# KiCad board OTTO-Beta-Main.kicad_pcb (continued)
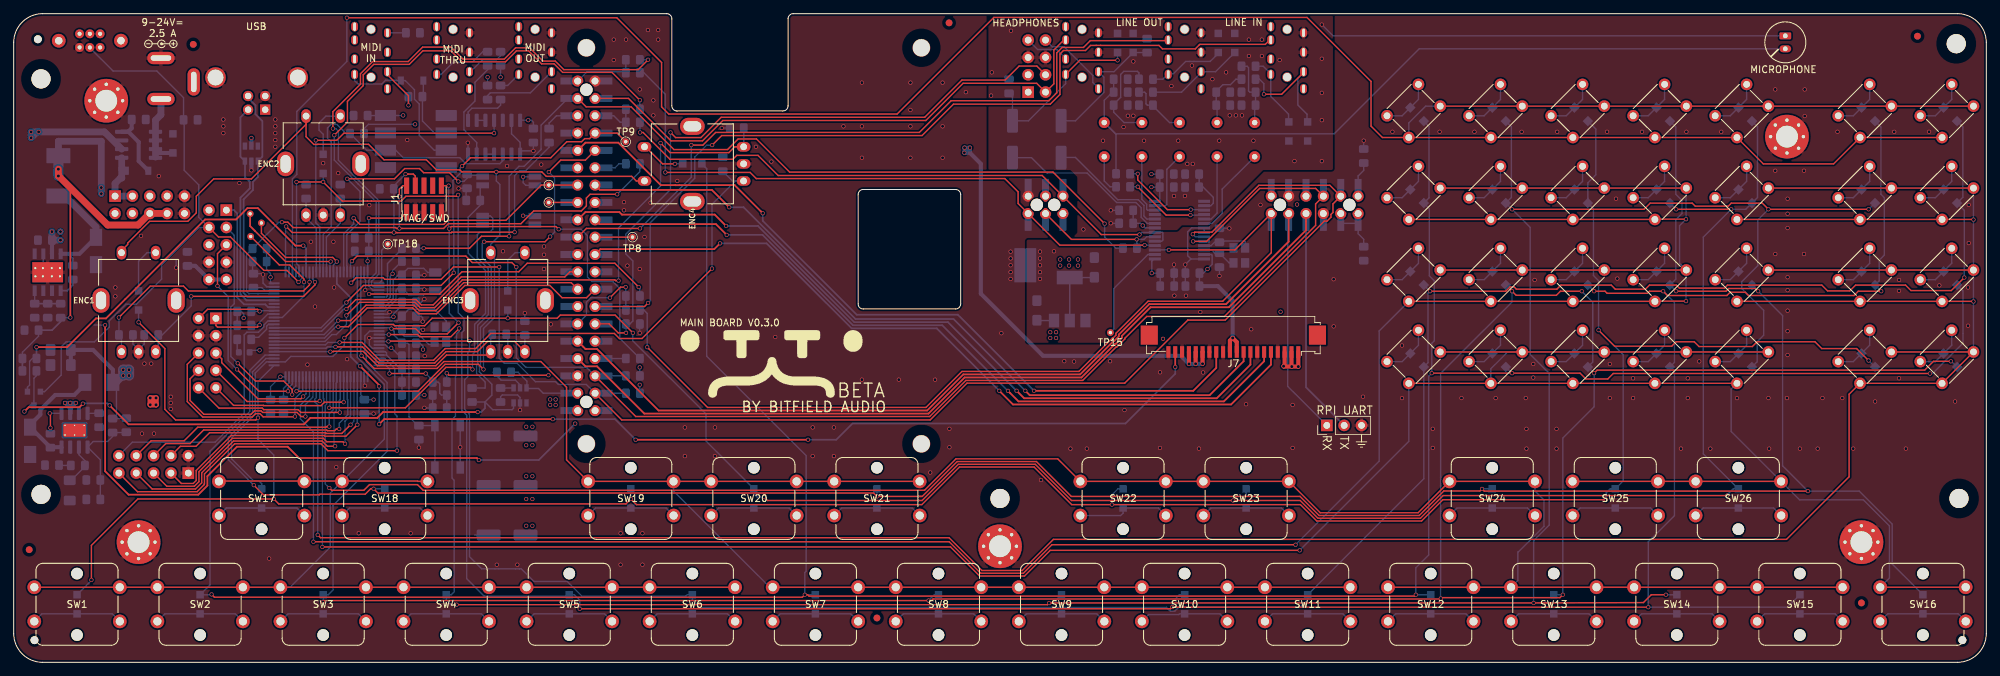
[diagram p0: board, top side]
## Routing (per net, layer and track width the routed paths; a pad name or vN(x,y) marks a point on that pad's centre or on a via; arc(x,y) is an arc through that point) (continued)
GNDA: length 70.9
  Bottom w0.203: v1(191.34,93.4) 192.99,91.75 MK201.1 ; v1(160.47,64.3) C73.2 ; v1(160.47,66.2) C250.1
  vias: v1(142.97,83) v1(143.07,86.4) v1(145.87,92.5) v1(150.12,60.15) v1(150.12,59.15) v1(150.12,58.15) v1(150.12,57.15) v1(150.12,56.15) v1(152.17,60.2) v1(156.47,63.4) v1(159.34,76.4) v1(162.34,78.4) v1(162.97,80.05) v1(163.77,88) v1(163.77,80.05) v1(165.34,76.4) v1(169.34,84.4) v1(169.72,68.3) v1(170.34,76.4) v1(171.32,68.3) v1(171.67,73) v1(172.34,87.4) v1(172.47,73) v1(175.34,85.4) v1(176.34,76.4) v1(177.34,86.4) v1(177.87,80.1) v1(178.77,80.1) v1(179.67,80.1) v1(180.67,91.2) v1(180.67,88.8) v1(181.34,76.4) v1(182.57,91.2) v1(182.57,88.8) v1(185.17,88.2) v1(187.34,73.4) v1(191.34,88.4) v1(191.34,83.4) v1(191.34,79.4) v1(191.34,73.4)
(no net): length 100
  Top w0.254: 82.2,35.03 v1(82.14,34.96) ; v1(13.38,49.39) 13.38,27.98 16.8,24.56 27,24.56 28.33,25.89 28.33,27.26 32.65,31.58 40.08,31.58 41.73,29.93 67.74,29.93 v1(68.04,29.63)
  Bottom w0.203: 11.77,49.4 13.36,49.4 v1(13.38,49.39)
  Bottom w0.254: v1(82.14,34.96) 76.8,29.63 v1(68.04,29.63)
  vias: v1(168.11,47.38) v1(185.31,51.34) v1(187.72,67.05)
(F427)_SAI1_FS_A: length 85
  Top w0.203: v1(91.59,82.32) 87.52,86.4 80.3,86.4 79.05,87.65 77.22,87.65 75.32,89.55 73.54,89.55 71.93,87.95 65.55,87.95 63.95,89.55 59.84,89.55 57.87,87.58 52.67,87.58 51.13,86.04 51.13,84.46 48.82,82.15 48.82,79.12 v1(46.9,77.2)
  Bottom w0.203: v1(46.9,77.2) 46.9,73.56 50.37,70.09 50.37,70.09 53.02,67.44 53.02,57.05 51.94,55.97 51.94,55.1 52.54,54.5 U202.3 ; v1(91.59,82.32) R236.2
(F427)_SAI1_MCLK_A: length 6.3
  Bottom w0.203: TP18.1 53.82,60.35 53.82,55.88 U202.1
(F427)_SAI1_SCK_A: length 45.6
  Top w0.203: v1(51.97,53.94) 62.31,53.94 65.57,57.2 73.87,57.2 75.12,58.45 87.93,58.45 v1(91.42,54.96)
  Bottom w0.203: R235.2 91.59,54.79 v1(91.42,54.96) ; v1(51.97,53.94) 52.03,54 U202.4
(F427)_SAI1_SD_A: length 9.2
  Bottom w0.203: U202.5 54.52,53.5 54.67,53.65 54.67,56.99 54.68,57 54.68,58.41 56.79,60.52 R237.2
(F427)_SAI1_SD_B: length 85.5
  Top w0.203: v1(92.79,88.25) 91.34,86.8 80.47,86.8 79.22,88.05 77.42,88.05 75.47,90 73.42,90 71.76,88.35 65.72,88.35 63.97,90.1 59.82,90.1 57.7,87.98 52.5,87.98 50.73,86.21 50.73,84.67 46.7,80.64 v1(46.7,78.17)
  Bottom w0.203: U202.2 52.61,55 52.34,55.27 52.34,55.8 53.42,56.88 53.42,67.61 50.54,70.49 50.54,70.49 47.5,73.53 47.5,77.8 47.12,78.17 v1(46.7,78.17) ; v1(92.79,88.25) R238.2
/AUDIO/AMP_OUT_L: length 11.2
  Bottom w0.203: J2.8 151.91,90.15 153.64,90.15 157.84,85.95 157.84,84.93 158.67,84.1
/AUDIO/AMP_OUT_R: length 6.6
  Bottom w0.203: 153.87,88.45 152.57,89.75 149.77,89.75 J2.7
/AUDIO/CODEC_CLKOUT: length 15.5
  Bottom w0.203: TP15.1 160.92,48.79 160.92,54.75 165.89,59.72 167.67,59.72
/AUDIO/HP_OUT_L: length 26.3
  Top w0.203: v1(161.46,88.17) 155.94,88.17 TRS206.T
  Bottom w0.203: R228.2 146.1,82.82 C258.2 148.43,79.31 153.87,84.75 TRS206.T ; v1(161.46,88.17) 161.46,89.31 ; 153.87,86.2 153.87,85.15
/AUDIO/HP_OUT_R: length 19.6
  Bottom w0.203: R230.2 165.77,89.31 163.75,89.31 160.94,86.5 TRS206.R1 159.47,85.7 159.47,83.47 155.31,79.31 C262.2
/AUDIO/I2S_BCLK*: length 136.4
  Top w0.203: v1(168.97,60.4) 178.62,60.4 J206.12 183.95,59.99 176.85,52.89 165.92,52.89 161.22,48.18 161.22,47.91 160.8,47.49 160.71,47.49 155.82,42.6 138.71,42.6 133.44,37.33 101.5,37.33 v1(92.67,46.16)
  Bottom w0.203: R231.2 92.17,51.6 92.67,51.1 v1(92.67,46.16) ; J206.12 J206.12 ; v1(168.97,60.4) 167.69,60.4 167.67,60.37
/AUDIO/I2S_DIN*: length 21.2
  Top w0.203: v1(164.26,61.95) 154.71,61.95 J207.4
  Bottom w0.203: J207.4 J207.4 ; R233.2 164.29,61.91 v1(164.26,61.95) 165.34,61.95 165.72,62.32 167.67,62.32
/AUDIO/I2S_DOUT*: length 95.7
  Top w0.203: v1(95.32,71.75) 107.72,71.75 108.62,70.85 144.97,70.85 146.92,68.9 146.92,67.2 J207.6 153.02,61.1 v1(165.42,61.1)
  Bottom w0.203: 167.67,61.02 167.59,61.1 v1(165.42,61.1) ; R234.2 92.17,86.35 95.32,83.2 v1(95.32,71.75) ; J207.6 J207.6
/AUDIO/I2S_LRCLK*: length 88.5
  Top w0.203: v1(91.62,77.6) 92.07,77.6 96,73.67 105.19,73.67 105.77,74.25 108.87,74.25 111.82,71.3 150.44,71.3 J207.1 159.09,62.65 v1(164.67,62.65)
  Bottom w0.203: U207.7 168,62.97 168.1,62.88 168.1,61.86 167.91,61.67 U207.5 ; v1(91.62,77.6) 91.62,79.07 R232.2 ; 166.92,62.95 164.97,62.95 v1(164.67,62.65) ; J207.1 J207.1
/AUDIO/LINE_IN_L: length 10.7
  Bottom w0.203: 186.47,79.28 186.47,80.28 183.87,82.88 183.87,86.2 182.77,87.3 R218.2
/AUDIO/LINE_IN_R: length 18.1
  Top w0.203: v1(182.87,83.2) 185.47,83.2 188.62,86.35 188.67,86.35
  Bottom w0.203: 189.17,79.28 189.17,80.28 187.84,81.61 187.84,85.52 188.67,86.35 ; v1(182.87,83.2) 182.87,84.75 182.22,85.4 R222.2
/AUDIO/LINE_OUT_L: length 11.1
  Bottom w0.203: 176.19,89.18 175.01,88 172.63,88 172.63,88 172.05,88 172.05,88 171.42,88 169.62,86.2 168.87,86.2 168.07,85.4 R220.2
/AUDIO/LINE_OUT_R: length 14.3
  Bottom w0.203: TRS205.R1 175.8,86.5 178.61,89.31 ; 173.67,86.35 170.82,83.5 R223.2
/AUDIO/MIC_IN: length 120.7
  Bottom w0.203: C257.2 161.25,77.32 161.25,71.55 ; C257.2 159.52,82.3 160.72,83.5 C259.1 R229.2 ; C257.2 161.17,77.4 193.14,77.4 205.59,89.85 MK201.2
/CE1_GPIO7_RASPI: length 5.7
  Top w0.203: TP2.1 J201.26
  Bottom w0.203: J201.26 J201.26
/GPIO1_RASPI: length 45.3
  Top w0.203: v1(49.72,65.05) 50.63,64.14 62.92,64.14 63.51,64.74 72.01,64.74 77.17,69.9 TP7.1 78.28,69.89 J201.28
  Bottom w0.203: J201.28 J201.28 ; v1(49.72,65.05) 49.72,64.21 48.27,62.76 48.27,57.35
/ICP_RST: length 103.5
  Top w0.203: v1(63.62,69.81) 63.61,69.8 J1.10 ; v1(63.71,63.52) 64.01,63.82 79.33,63.82 v1(79.72,63.43) ; v1(55.25,48.87) 58.79,48.87 59.57,48.1 63.42,48.1 v1(65.07,49.75)
  Bottom w0.203: U202.14 55.13,49 v1(55.25,48.87) 55.67,48.46 55.67,47.88 R4.2 ; R4.2 56.79,46.89 ; R4.2 57.62,46.75 57.82,46.55 57.82,35.97 59.12,34.67 C48.2 61.29,34.67 61.62,34.35 61.62,28.15 ; v1(79.72,63.43) 82.99,63.43 83.93,62.49 83.93,56.42 84.59,55.76 87.64,55.76 88.67,54.73 88.67,47.43 91.59,44.5 ; v1(65.07,49.75) 63.71,51.11 v1(63.71,63.52) 63.62,63.61 v1(63.62,69.81)
/ICP_SWCLK: length 68.5
  Top w0.203: v1(39.86,63.83) 40.74,62.95 v1(55.62,62.95) 56.04,62.95 56.08,62.92 64,62.92 64.08,63 v1(73.27,63) ; v1(57.32,71.5) 58.45,71.5 58.75,71.2 J1.4
  Bottom w0.203: 39.77,57.17 39.77,63.74 v1(39.86,63.83) ; v1(73.27,63) 73.27,71.27 74,72 74.88,72 78.32,75.44 78.32,76.12 ; v1(55.62,62.95) 55.62,69.8 v1(57.32,71.5)
/ICP_SWDIO: length 81.7
  Top w0.203: J1.2 56.91,69.8 56.41,69.3 v1(56.41,68.21) ; v1(39.23,64.46) 40.1,64.46 40.89,63.68 55.86,63.68 56,63.54 v1(56.42,63.54) 62.89,63.54 63.58,64.24 74.19,64.24 76.06,66.1 83.02,66.1 83.77,66.85 83.77,68 84.32,68.55 v1(88.28,68.55)
  Bottom w0.203: R1.2 91.59,71.87 v1(88.28,68.55) ; 38.09,54 35.75,54 35.75,54 34.39,54 34.07,54.32 34.07,59.72 38.81,64.46 v1(39.23,64.46) ; v1(56.42,63.54) 56.41,63.56 v1(56.41,68.21)
/MCU/BARREL_IN: length 65
  In1.Cu w1: 6.23,62.45 v1(5.6,63.08) v1(6.85,63.08) ; 6.23,62.45 v1(6.85,61.83) v1(6.85,63.08) ; 6.23,62.45 6.23,62.53 2.56,66.2 2.56,76.72 ; 2.56,76.72 v1(2.56,76.82) ; 2.56,76.72 2.76,76.72 3.62,77.58 3.7,77.58 3.6,77.68 v1(2.56,77.68) ; v1(6.85,63.08) 9.51,65.74 J3.2 J3.4
  Bottom w0.6: D49.1 16.05,72 15.8,72.25 ; C1.2 5.6,59.84 U1.7
  Bottom w1: 3.68,77.68 v1(2.56,77.68) v1(2.56,76.82) 3.42,77.68 3.68,77.68 ; 3.68,77.68 13.28,77.68 Q1.2 ; 15.8,73.89 15.8,70.95 ; C1.2 5.6,61.83 ; C1.2 v1(5.6,63.08) ; C1.2 v1(6.85,61.83) ; J3.3 J3.1 14.83,70.13 15.64,70.95 15.8,70.95 ; 15.8,70.95 15.82,70.93
  vias: v1(3.65,77.68)
/MCU/BOOT0: length 37.4
  Top w0.203: v1(65.04,70.43) 63.77,71.71 59.97,71.71 59.36,72.31 57.19,72.31 55.7,70.82 v1(48.79,70.82)
  Bottom w0.203: v1(48.79,70.82) 50.67,68.93 50.67,64.59 48.72,62.64 48.72,58.06 48.77,58.01 48.77,57.17 ; v1(65.04,70.43) 65.85,70.43 66.32,70.9 R203.2 66.44,71.35 68.38,71.35 SW202.4
/MCU/BOOT1: length 57.8
  Top w0.203: v1(67.11,42.9) 66.81,43.2 63.22,43.2 57.3,37.28 v1(46.16,37.28)
  Bottom w0.203: SW202.3 68.25,69.51 R204.2 68.25,66.95 66.47,65.17 66.47,59.95 69.02,57.4 69.02,51.1 67.42,49.5 67.42,45.4 67.11,45.09 v1(67.11,42.9) ; v1(46.16,37.28) 46.27,37.39 U202.37
/MCU/COL_1: length 188
  Top w0.203: SW18.2 59.11,26.5 59.05,26.55 42.57,26.55 SW17.2 42.47,26.55 30.07,26.55 SW17.2 ; SW1.2 SW1.2 SW2.2 SW3.2 SW6.2 SW6.2
  Bottom w0.203: 50.27,57.17 50.27,44.66 54.22,40.71 54.22,32.7 SW18.2 46.32,24.8 46.32,16.88 40.43,11 SW3.2
/MCU/COL_2: length 215.7
  Top w0.203: SW11.2 SW7.2 ; v1(50.88,44.9) 52.74,43.04 61.92,43.04 62.93,44.05 77.11,44.05 80.87,40.29 80.87,29.65 SW19.2 SW21.2
  Bottom w0.203: SW19.2 96.52,25.09 110.61,11 SW7.2 ; v1(50.88,44.9) 50.77,45.01 50.77,57.97
/MCU/COL_3: length 286.3
  Top w0.203: SW22.2 152.71,29.81 137.84,29.81 133.23,25.2 59.9,25.2 59.07,26.03 52.05,26.03 51.22,25.2 46.51,25.2 v1(46.17,25.54) ; SW22.2 SW23.2 191.11,21.91 205.43,21.91 SW24.2 SW24.2 ; SW22.2 155.51,25.99 ; SW15.2 SW12.2
  Bottom w0.203: 220.02,16.1 223.83,19.91 223.83,23.77 222.52,25.09 SW24.2 ; v1(46.17,25.54) 45.56,26.15 45.56,37.59 45.77,37.81 45.77,41.82 U202.38 ; 220.02,16.21 220.02,12 SW13.2
/MCU/COL_4: length 395
  Top w0.203: SW27.2 SW28.2 SW29.2 SW30.2 SW31.2 ; SW27.2 SW28.2 SW29.2 SW30.2 SW31.2 ; v1(188.1,16.4) 151.61,16.4 147.85,12.64 141.29,12.64 137.03,16.9 v1(45.15,16.9) ; SW26.2 SW25.2 ; SW16.2 SW16.2
  Bottom w0.203: SW28.2 218.53,45.46 216.06,42.99 SW28.2 ; v1(45.15,16.9) 45.15,37.79 45.37,38.01 45.37,38.56 45.27,38.66 U202.39 ; SW16.2 274.37,12.35 274.37,19.98 270.55,23.8 261.22,23.8 SW26.2 251.21,33.81 251.21,40.01 SW31.2 ; v1(188.1,16.4) 204.06,32.36 SW27.2
/MCU/COL_5: length 453.3
  Top w0.203: v1(286.66,64.84) 286.64,64.86 SW47.2 SW46.2 SW45.2 ; v1(286.66,52.85) 286.65,52.86 SW40.2 SW39.2 SW38.2 ; SW32.2 SW33.2 SW33.2 SW32.2 268.47,39.27 268.47,27.17 259.31,18.01 152.08,18.01 147.52,13.45 141.62,13.45 136.81,18.26 44.88,18.26 v1(44.47,18.67) ; SW40.2 SW39.2 SW38.2 ; SW47.2 SW46.2 SW45.2
  Bottom w0.203: SW33.2 v1(286.66,52.85) SW40.2 v1(286.66,64.84) SW47.2 ; U202.41 44.27,38.78 44.07,38.58 44.07,38.12 44.47,37.72 v1(44.47,18.67)
/MCU/COL_6: length 385.8
  Top w0.203: v1(244.62,52.9) 240.1,52.9 SW37.2 SW36.2 SW35.2 SW34.2 ; v1(244.62,64.9) 240.1,64.9 SW44.2 SW43.2 SW42.2 SW41.2 ; SW37.2 SW36.2 SW35.2 SW34.2 ; SW44.2 SW43.2 SW42.2 SW41.2 ; v1(187.5,17.22) 151.87,17.22 147.69,13.05 141.45,13.05 136.84,17.66 v1(43.84,17.66)
  Bottom w0.203: v1(244.62,52.9) 244.62,57.42 SW37.2 243.67,58.45 243.67,63.95 v1(244.62,64.9) 244.62,69.42 SW44.2 ; SW34.2 199.73,48.53 199.73,29.46 v1(187.5,17.22) ; v1(43.84,17.66) 43.84,33.73 41.94,35.64 41.94,37.67 43.27,39 U202.43
/MCU/COL_7: length 155.1
  Top w0.203: ENC4.S1 91.07,70.5 90.39,71.17 77.9,71.17 77.25,71.82 v1(70.59,71.82) 65.55,71.82 65.25,72.12 61.84,72.12 60.36,73.6 54.17,73.6 51.9,75.87 44.5,75.87 44.48,75.85 43.91,75.85 42.77,76.98 ENC2.S1 42.77,78.8 34.77,70.8 32,70.8 32,70.8 29.25,70.8 26.71,68.26 26.71,65.83 25.47,64.59 19.87,64.59 16.67,61.39 16.67,61.2 15.77,60.3 ENC1.S1 ; v1(68.72,42.9) 67.97,43.65 63.1,43.65 59.15,39.7 v1(41.37,39.7)
  Bottom w0.203: v1(68.72,42.9) 68.72,48.9 70.32,50.5 70.32,59.45 ENC3.S1 69.77,61.2 71.12,62.55 71.12,69.97 70.59,70.5 v1(70.59,71.82) ; U202.46 41.77,40.1 v1(41.37,39.7)
/MCU/COL_8: length 389.4
  Top w0.203: SW56.2 SW55.2 266.2,73 255.92,73 SW54.2 SW53.2 SW52.2 SW51.2 SW50.2 200.21,76.86 198.54,78.53 198.54,85.08 189.17,94.45 143.37,94.45 129.22,80.3 95.82,80.3 94.77,81.35 94.77,87.85 88.22,94.4 v1(48.74,94.4) ; SW56.2 SW55.2 SW54.2 SW53.2 SW52.2 SW51.2 SW50.2
  Bottom w0.203: SW50.2 206.53,81.46 204.06,78.99 SW50.2 ; 40.77,57.17 40.77,70.8 41.42,71.45 41.42,80.68 48.74,88 v1(48.74,94.4)
/MCU/CV_ADC_1: length 43.1
  Top w0.203: J6.5 22.39,25.79 26.43,25.79 27.1,26.46 27.1,27.93 31.99,32.82 45.28,32.82 45.8,32.3 48.17,32.3 v1(48.47,32)
  Bottom w0.203: v1(48.47,32) 48.47,35.31 49.27,36.11 49.27,41.82 U202.31
/MCU/CV_ADC_2: length 37.1
  Top w0.203: v1(47.62,34.17) 47.19,34.17 46.95,33.93 45.88,33.93 45.78,34.03 27.79,34.03 25.8,32.04 22.25,32.04 J6.6
  Bottom w0.203: v1(47.62,34.17) 47.62,35.03 48.87,36.28 48.87,38.49 48.77,38.59 U202.32
/MCU/CV_DAC_1: length 39.4
  Top w0.203: v1(50.27,34.8) 48.59,33.12 45.55,33.12 45.45,33.22 31.82,33.22 26.7,28.09 26.7,26.63 26.26,26.2 24.53,26.2 J6.3
  Bottom w0.203: U202.29 v1(50.27,34.8)
/MCU/CV_DAC_2: length 35.5
  Top w0.203: v1(49.27,34.8) 47.99,33.52 45.71,33.52 45.61,33.62 28.65,33.62 26.67,31.64 24.38,31.64 J6.4
  Bottom w0.203: v1(49.27,34.8) 49.77,35.3 U202.30
/MCU/ENC_A_1: length 37.5
  Top w0.203: v1(43.27,55.7) 43.27,55.28 42.39,54.39 25.54,54.39 24.83,55.1 19.98,55.1 v1(15.38,50.5)
  Bottom w0.203: v1(15.38,50.5) 15.4,50.49 C60.1 15.77,47.57 ENC1.A ; v1(43.27,55.7) 43.27,55.7 43.27,57.17
/MCU/ENC_A_2: length 11.4
  Bottom w0.203: C62.1 ENC2.A 42.77,65.1 44.27,63.6 44.27,62.59 44.27,62.59 44.27,62.01 44.27,62.01 44.27,57.17
/MCU/ENC_A_3: length 36.1
  Top w0.203: v1(46.32,45.5) 46.74,45.5 46.8,45.55 51.11,45.55 53.22,43.44 61.75,43.44 63.31,45 69.27,45 ENC3.A
  Bottom w0.203: C64.1 69.77,47.82 ENC3.A ; 38.09,45.5 v1(46.32,45.5)
/MCU/ENC_A_4: length 90.6
  Top w0.203: v1(102.14,57.66) 91.91,47.43 88.61,47.43 87.86,48.17 69.79,48.17 67.57,45.95 63.12,45.95 61.42,44.25 53.55,44.25 50.95,46.85 v1(47.67,46.85)
  Bottom w0.203: v1(47.67,46.85) 45.96,46.85 45.61,46.5 38.09,46.5 ; C66.1 105.15,70.5 ENC4.A ; 106.79,70.47 ENC4.A ; ENC4.A 105.57,70.5 102.14,67.08 v1(102.14,57.66)
  Bottom w0.254: 106.75,70.48 ENC4.A
/MCU/ENC_B_1: length 31.4
  Top w0.203: v1(44.07,55.7) 44.07,55.28 42.4,53.6 v1(25.97,53.6)
  Bottom w0.203: v1(25.97,53.6) 25.97,52.2 21.72,47.95 21.15,47.95 21.15,45.87 ENC1.B ; 43.77,57.17 43.77,56.09 44.07,55.79 v1(44.07,55.7)
/MCU/ENC_B_2: length 11.6
  Bottom w0.203: 45.77,57.17 45.74,57.2 45.74,62.27 47.77,64.3 ENC2.B C63.2
/MCU/ENC_B_3: length 42.1
  Top w0.203: ENC3.B 73.27,47 69.32,47 67.82,45.5 63.24,45.5 61.59,43.85 53.39,43.85 51.03,46.2 v1(47.07,46.2)
  Bottom w0.203: C65.2 ENC3.B ; 38.09,46 45.68,46 45.88,46.2 v1(47.07,46.2)
/MCU/ENC_B_4: length 94.1
  Top w0.203: v1(48.67,50.8) 50.59,52.72 58.69,52.72 59.46,51.95 61.57,51.95 65.63,56.01 87.94,56.01 88.05,55.9 v1(88.47,55.9) ; ENC4.B 105.46,75.5 104.61,74.65 96.02,74.65 v1(94.62,76.05)
  Bottom w0.203: v1(88.47,55.9) 88.47,63.62 94.62,69.77 v1(94.62,76.05) ; 38.09,47 45.54,47 46.54,48 47.2,48 48.67,49.47 v1(48.67,50.8) ; 106.79,78.25 106.79,75.52 ENC4.B
/MCU/EXP_GPIO_1_ADC: length 23.7
  Top w0.203: J5.9 32.17,37.63 36.52,37.63 36.56,37.6 44.96,37.6 45.46,38.1 v1(48.27,38.1)
  Bottom w0.203: v1(48.27,38.1) 48.27,38.1 U202.33
/MCU/EXP_GPIO_2_ADC: length 27.9
  Top w0.203: J5.10 30.03,37.23 36.35,37.23 36.58,37.01 41.6,37.01 42,36.6 47.7,36.6 v1(47.72,36.59)
  Bottom w0.203: v1(47.72,36.59) 47.62,36.68 47.62,38.34 47.77,38.49 U202.34 47.77,41.4
/MCU/EXP_GPIO_3_PWM: length 20.7
  Top w0.203: J5.7 34.14,38.2 44.7,38.2 v1(44.77,38.27)
  Bottom w0.203: U202.40 v1(44.77,38.27)
/MCU/EXP_GPIO_4_PWM: length 29.5
  Top w0.203: v1(42.67,36) 42.03,36 41.43,36.6 36.41,36.6 36.19,36.83 35.22,36.83 34.72,36.33 27.82,36.33 25.8,38.35 25.8,41.51 J5.8
  Bottom w0.203: U202.42 43.77,38.85 42.67,37.75 v1(42.67,36)
/MCU/EXP_GPIO_5_PWM: length 19.1
  Top w0.203: v1(42.34,38.93) 42.02,38.6 35.72,38.6 30.43,43.89 30.43,44.45 J5.5
  Bottom w0.203: v1(42.34,38.93) 42.77,39.35 U202.44
/MCU/EXP_GPIO_6_PWM: length 31.2
  Top w0.203: J5.6 25.39,43.65 25.39,38.19 27.66,35.92 34.89,35.92 35.39,36.42 36.02,36.42 36.49,35.95 41.09,35.95 v1(41.14,36)
  Bottom w0.203: v1(41.14,36) 41.14,38.61 42.27,39.74 U202.45
/MCU/GATE_IO_1: length 44.6
  Top w0.203: J6.7 20.26,25.39 26.6,25.39 27.5,26.29 27.5,27.76 32.16,32.41 45.11,32.41 45.88,31.65 v1(47.02,31.65)
  Bottom w0.203: v1(47.02,31.65) 46.86,31.81 46.86,36.52 47.16,36.82 47.16,40.89 47.27,40.99 U202.35
/MCU/GATE_IO_2: length 37.6
  Top w0.203: v1(46.17,34.53) 45.75,34.53 45.65,34.43 26.92,34.43 24.93,32.44 20.11,32.44 J6.8
  Bottom w0.203: U202.36 46.76,41.81 46.76,36.99 46.17,36.4 v1(46.17,34.53)
/MCU/I2C2_SCL: length 13
  Top w0.203: v1(35.97,51.4) 35.67,51.7 28.37,51.7 J5.2
  Bottom w0.203: R206.1 v1(35.97,51.4) 36.07,51.5 38.09,51.5
/MCU/I2C2_SDA: length 11.9
  Top w0.203: v1(35.97,49.4) 35.67,49.1 29.81,49.1 29.58,49.32 J5.1
  Bottom w0.203: 38.09,51 37.17,51 35.97,49.8 v1(35.97,49.4) 34.8,49.4 R207.2
/MCU/MCU_PA0: length 61.1
  Top w0.203: J6.9 18.12,24.99 26.82,24.99 27.88,26.04 27.88,26.1 27.91,26.13 27.91,27.59 32.32,32.01 44.95,32.01 45.96,31 v1(56.07,31)
  Bottom w0.203: v1(56.07,31) 56.07,36.08 55.74,36.41 55.74,43.04 54.28,44.5 U202.23
/MCU/MCU_PC7: length 37.8
  Bottom w0.203: J6.10 17.37,32.24 29.46,32.24 33.72,36.5 33.72,47.95 34.12,48.35 35.81,48.35 36.59,49.13 36.59,49.4 37.19,50 38.09,50
/MCU/MCU_PC8: length 18.5
  Top w0.203: TP1.1 34.69,62.37 38.85,58.2 40.39,58.2 42.47,56.12 v1(42.47,55.7)
  Bottom w0.203: v1(42.47,55.7) 42.47,53.68 39.29,50.5 38.09,50.5
/MCU/OSC32_IN: length 12.5
  Bottom w0.203: Y202.2 60.57,57.1 59.97,57.7 57.67,57.7 56.79,56.82 C96.1 56.22,56.7 55.52,56 55.52,53.24 54.28,52 U202.8
/MCU/OSC32_OUT: length 11.1
  Bottom w0.203: Y202.1 61.27,54 60.16,54 59.97,53.8 57.8,53.8 C97.1 56.22,54.8 55.92,54.5 55.92,53.07 54.35,51.5 U202.9
/MCU/OSC_IN: length 12.2
  Bottom w0.203: U202.12 56.12,50 56.79,50.67 C204.1 57.8,51.7 61.57,51.7 63.27,50 Y201.3
/MCU/OSC_OUT: length 9.4
  Bottom w0.203: U202.13 54.24,49.5 54.25,49.5 55.52,49.5 56.22,48.8 C205.1 56.79,48.1 57.14,47.75 59.52,47.75 60.72,46.55 61.22,46.55
/MCU/PERIPHERALS/BARL: length 11.6
  Bottom w0.6: Q1.7 21.31,74.6 D48.1
  Bottom w1: 20.74,74 Q1.7 20.74,79.4 21.54,80.19 DC201.1
/MCU/PERIPHERALS/PI_PWR_EN_OVERRIDE: length 32.5
  Bottom w0.203: 67.02,40.15 67.32,40.45 ; R16.2 68.94,40.17 ; SW48.4 69.72,65.38 70.07,65.04 70.07,63.45 69.62,63 68.18,63 67.82,62.64 67.82,59.24 69.42,57.64 69.42,50.93 67.87,49.38 67.87,43.66 67.72,43.51 67.72,42.3 68.97,41.05 68.97,40.15
/MCU/PROG_UART_RX: length 31.1
  Top w0.203: v1(40.11,39.7) 35.87,39.7 v1(32.67,42.9) ; J4.5 29.81,59.85 v1(29.81,55.13)
  Bottom w0.203: v1(32.67,42.9) 31.37,44.2 31.37,53.57 v1(29.81,55.13) ; U202.48 40.77,40.79 40.11,40.13 v1(40.11,39.7)
/MCU/PROG_UART_TX: length 34.1
  Top w0.203: v1(32.77,43.8) 35.37,41.2 39.49,41.2 40.74,39.95 v1(40.74,39.21)
  Bottom w0.203: J4.3 32.26,62.53 32.26,52.52 31.77,52.03 31.77,44.8 v1(32.77,43.8) ; v1(40.74,39.21) 40.74,39.96 41.27,40.49 U202.47
/MCU/ROW_1: length 401
  Top w0.203: v1(271.32,44.2) 269.57,45.95 264.47,45.95 263.47,46.95 255.02,46.95 254.32,46.25 246.52,46.25 245.82,46.95 243.17,46.95 242.52,46.3 234.17,46.3 v1(231.82,48.65) ; v1(35.73,35.82) 35.4,35.5 23.68,35.5 22.12,37.06 22.12,45.95 v1(18.27,49.8) ; v1(232.92,23.82) 209.05,23.82 205.93,20.7 190.61,20.7 188.21,23.1 v1(160.64,23.1) 154.76,23.1 149.26,28.6 138.34,28.6 132.84,23.1 91.1,23.1 v1(90.27,23.92) 89.55,23.2 38.77,23.2 v1(38.04,23.93) 18.17,23.93 11.37,17.13 v1(11.37,12.07)
  Bottom w0.203: D32.1 v1(271.32,44.2) ; D60.1 231.42,78.1 231.42,71.4 230.26,70.24 D43.1 231.07,66.45 231.07,56.65 231.82,55.9 v1(231.82,48.65) 235.42,45.05 235.42,26.55 D25.1 233.52,25.4 232.92,24.8 v1(232.92,23.82) ; 38.09,43.5 35.74,41.14 35.74,32.66 38.04,30.36 v1(38.04,23.93) ; D1.1 11.37,12 v1(11.37,12.07) ; v1(160.64,23.1) 160.64,24.53 161.52,25.4 D22.1 ; D202.1 v1(18.27,49.8) ; D19.1 v1(90.27,23.92)
/MCU/ROW_2: length 338.3
  Top w0.203: v1(48.37,47.51) 50.33,49.47 55.54,49.47 55.72,49.3 60.11,49.3 61.21,50.4 v1(72.27,50.4) 79.5,50.4 79.95,50.85 87.98,50.85 v1(90.57,48.26) ; v1(250.64,24.42) 209.09,24.42 205.76,21.1 190.78,21.1 188.18,23.7 v1(178.37,23.7) 154.73,23.7 149.43,29 138.17,29 132.87,23.7 110.26,23.7 v1(109.77,24.19) ; v1(243.17,66.35) v1(251.22,66.35)
  Bottom w0.203: D44.1 v1(243.17,66.35) ; D62.1 255.07,78.45 255.07,68.07 D45.1 253.35,66.35 v1(251.22,66.35) 247.15,62.28 247.15,30.52 D26.1 251.52,25.4 250.64,24.53 v1(250.64,24.42) ; v1(48.37,47.51) 48.37,46.48 46.7,44.8 40.54,44.8 39.73,44 36.97,44 35.34,42.37 35.34,36.37 34.62,35.65 34.62,35.6 31.87,32.85 31.87,29.8 35.12,26.55 35.87,26.55 36.27,26.15 D17.1 ; v1(90.57,48.26) 90.57,47.08 101.27,36.38 101.27,32.4 D20.1 108.27,24.65 108.72,24.19 v1(109.77,24.19) ; D23.1 180.27,24.65 179.32,23.7 v1(178.37,23.7) ; D203.1 v1(72.27,50.4)
/MCU/ROW_3: length 363.4
  Top w0.203: v1(243.17,54.35) 250.47,54.35 250.87,54.75 254.77,54.75 v1(255.17,54.35) ; 132.57,24.3 v1(126.27,24.3) 125.78,24.8 53.27,24.8 v1(52.65,25.42) 52.22,25.42 51.42,24.62 44.79,24.62 44.7,24.53 36.54,24.53 v1(35.12,25.95) ; 132.57,24.3 132.78,24.3 ; 132.57,24.3 132.9,24.3 138.01,29.41 149.59,29.41 154.7,24.3 188.15,24.3 190.94,21.51 205.6,21.51 209.19,25.1 214.47,25.1 v1(214.77,25.4) 215.09,25.07 v1(262.45,25.07)
  Bottom w0.203: 254.23,55.26 D38.1 v1(255.17,54.35) 258.74,50.78 258.74,28.78 v1(262.45,25.07) 269.95,25.07 274.77,20.25 274.77,14.4 279.27,9.9 ; v1(243.17,54.35) D37.1 243.12,56.12 243.12,64.82 244.02,65.72 244.02,67.65 243.12,68.55 243.12,78.4 D61.1 242.26,78.95 ; 38.09,44.5 36.9,44.5 34.93,42.53 34.93,36.54 34.22,35.82 34.22,35.77 31.4,32.95 31.4,29.68 v1(35.12,25.95) ; v1(214.77,25.4) D24.1 ; D21.1 v1(126.27,24.3) ; v1(52.65,25.42) 52.67,25.4 D18.1
/MCU/ROW_4: length 454.1
  Top w0.203: v1(207.42,42.35) v1(219.17,42.35) 229.12,42.35 229.97,41.5 233.17,41.5 233.97,42.3 v1(280.3,42.3) ; v1(205.09,9.9) 204.89,9.7 116.35,9.7 116.14,9.9 v1(115.72,9.9) 115.35,9.53 29.36,9.53 v1(28.95,9.95)
  Bottom w0.203: v1(219.17,42.35) D28.1 218.23,43.26 ; D40.1 285.12,54.4 285.12,46.74 280.68,42.3 v1(280.3,42.3) ; D58.1 207.02,78.5 207.02,68.02 D41.1 207.07,66.45 207.07,56.6 207.8,55.87 207.8,47.08 207.42,46.71 v1(207.42,42.35) 206.97,41.9 206.97,31.11 206.97,31.11 206.97,15.73 205.09,13.85 v1(205.09,9.9) D12.1 ; v1(28.95,9.95) 28.9,9.9 D2.1 28.72,11.35 28.72,30.93 34.53,36.74 34.53,42.76 36.77,45 38.09,45 ; D7.1 v1(115.72,9.9) 115.72,13.15 115.91,13.35 115.91,30.28 101.37,44.82 101.37,72.3 D205.1
/MCU/ROW_5: length 395.2
  Top w0.203: v1(229.37,54.35) 226.25,54.35 225.64,53.75 219.77,53.75 v1(219.17,54.35) ; v1(226.59,9.9) 226.17,9.47 208.92,9.47 208.72,9.28 ; v1(231.17,42.35) 231.62,42.8 279.53,42.8 280.81,44.09 v1(283.35,44.09) ; v1(45.24,8.84) 45.45,9.05 v1(133.82,9.05) 134.24,9.05 134.47,9.28 208.72,9.28 ; 208.72,9.28 208.72,9.33 v1(208.75,9.35)
  Bottom w0.203: v1(229.37,54.35) 230.97,52.75 230.97,43.97 D29.1 v1(231.17,42.35) 231.17,37.43 226.59,32.85 v1(226.59,9.9) D13.1 ; D35.1 v1(219.17,54.35) 219.17,52.77 208.72,42.32 208.72,27.13 208.72,27.12 208.72,25.88 208.72,25.87 208.72,22.13 208.72,22.12 208.72,20.88 208.72,20.87 208.72,9.38 v1(208.75,9.35) 208.72,9.38 ; v1(133.82,9.05) 134.67,9.9 D8.1 ; U202.15 52.07,48.5 51.37,47.8 51.37,45.44 51.57,45.24 51.57,44.04 54.62,40.99 54.62,30.88 46.72,22.98 46.72,10.6 46.02,9.9 D3.1 45.27,8.87 v1(45.24,8.84) ; D33.1 283.43,44.09 v1(283.35,44.09)
/MCU/ROW_6: length 393.3
  Top w0.203: v1(271.32,66.35) v1(256.67,66.35) 255.77,67.25 251.23,67.25 250.78,66.8 245.97,66.8 245.52,67.25 239.37,67.25 238.47,66.35 v1(219.17,66.35) ; v1(54.87,48) 59.09,48 59.4,47.69 63.96,47.69 v1(65.17,48.9) ; v1(64.79,8.45) 151.22,8.45 v1(151.44,8.67) ; v1(151.44,8.67) 151.87,8.67 ; v1(151.44,8.67) 151.47,8.7 v1(222.32,8.7) 238.38,8.75 239.53,9.9 v1(241.67,9.9)
  Bottom w0.203: v1(256.67,66.35) 255.12,64.8 255.12,58.1 252.77,55.75 252.77,54.75 255.97,51.55 255.97,47.9 255.02,46.95 255.02,44.02 D31.1 ; D46.1 272.23,67.26 v1(271.32,66.35) ; D59.1 219.07,78.45 219.07,68.07 D42.1 v1(219.17,66.35) 221.82,63.7 221.82,45.1 224.61,42.31 224.61,20.12 222.32,17.83 v1(222.32,8.7) ; D9.1 152.04,8.67 v1(151.44,8.67) ; v1(64.79,8.45) 63.97,8.45 63.27,9.15 D4.1 64.02,9.9 64.42,10.3 ; 64.42,10.31 64.42,26.65 64.37,26.7 64.12,27 64.12,35.55 64.62,36.05 64.62,41.87 64.77,42.02 64.77,48.08 65.17,48.48 v1(65.17,48.9) ; U202.16 v1(54.87,48) ; v1(241.67,9.9) D14.1
/MCU/ROW_7: length 418.3
  Top w0.203: v1(273.17,54.35) 269.81,54.35 269.18,53.72 253.75,53.72 253.27,54.2 251.07,54.2 250.59,53.72 241.9,53.72 v1(241.27,54.35) 239.27,54.35 238.97,54.05 233.07,54.05 232.77,54.35 v1(231.17,54.35) ; v1(65.02,68.46) 64.81,68.26 57.37,68.26 56.66,67.55 52.31,67.55 52.31,67.55 51.73,67.55 51.73,67.55 48.07,67.55 v1(45.27,70.35) v1(41.37,70.35) ; v1(239.09,8.07) 169.49,8.07 v1(169.47,8.1) 169.22,7.85 v1(82.79,7.85)
  Bottom w0.203: 242.82,42.7 D30.1 242.92,43.92 242.92,52.7 v1(241.27,54.35) ; v1(273.17,54.35) D39.1 272.87,55.87 272.87,58.9 273.62,59.65 273.62,68.05 273.12,68.55 273.12,78.4 D63.1 ; D36.1 v1(231.17,54.35) ; 66.27,12.25 68.82,9.7 81.07,9.7 D5.1 82.02,9.9 82.79,9.13 v1(82.79,7.85) ; v1(41.37,70.35) 41.37,58.41 41.72,58.06 41.72,57.22 41.77,57.17 ; v1(169.47,8.1) 169.47,8.85 170.52,9.9 D10.1 ; D15.1 259.44,8.07 v1(239.09,8.07) 239.09,17.65 242.92,21.47 242.92,42.6 242.77,42.75 ; 66.26,12.31 66.26,36.18 65.56,36.89 65.56,48.3 65.87,48.61 65.87,50.35 65.02,51.2 v1(65.02,68.46) ; D204.1 v1(45.27,70.35)